# Allegro board mask_layout.brd (continued)
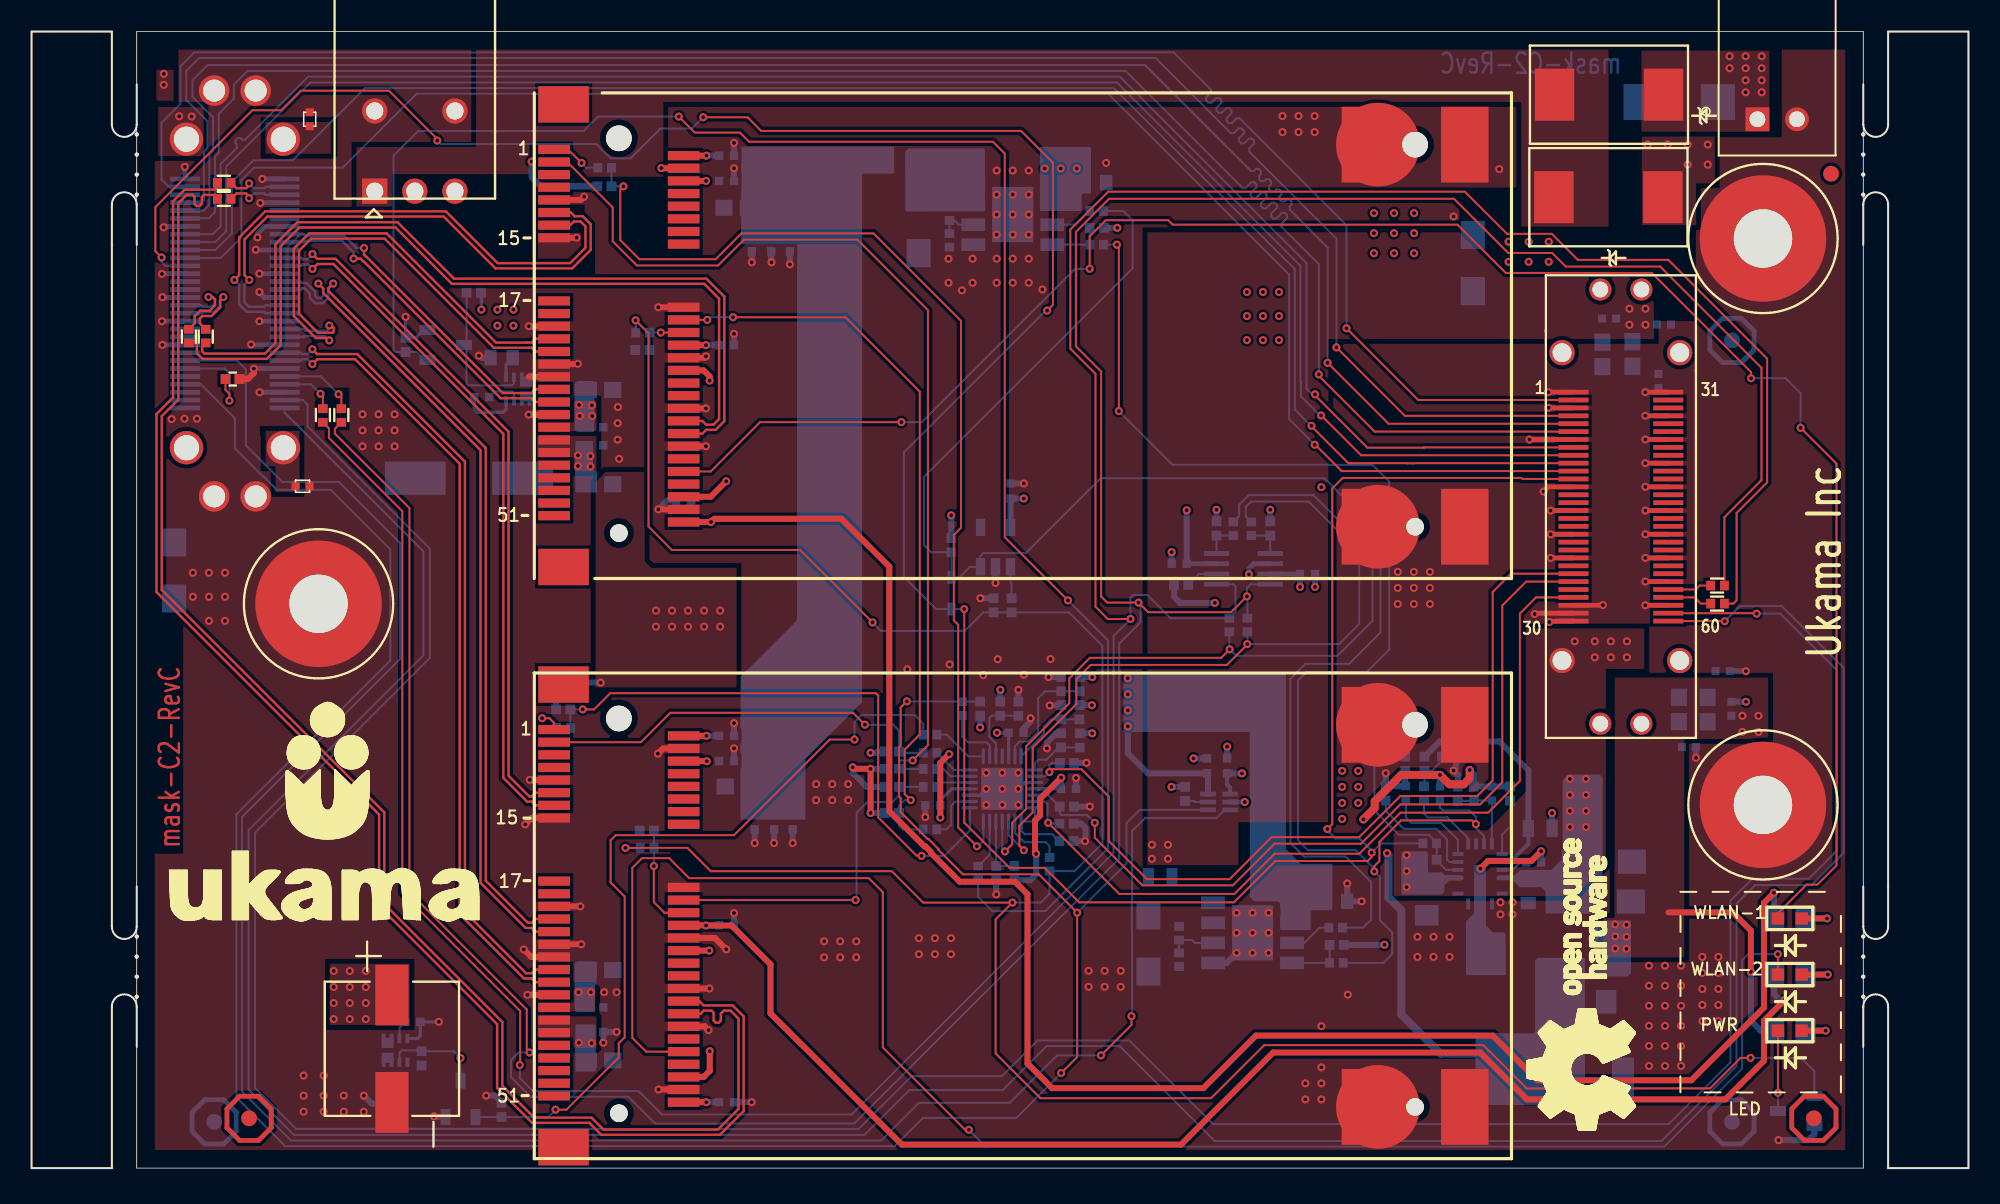
[diagram p0: board, top side]
## Nets
3V3_PG: R24.1 R61.2(B[0]) R85.1 U7.19(PG)
12V_VIN: C2B2.1(A[0]) C42.1(A[0]) C45.1(A[0]) C46.1(A[0]) C48.1(A[0]) J2.PC1 J2.PC2 R75.2(B[0]) SW1.2 U7.4(VIN1) U7.13(VIN2)
GND: C1.2 C2.2(B[0]) C2B1.2(B[0]) C2B2.2(B[0]) C3.2(B[0]) C6.2 C7.1 C8.2 C9.2 C10.1 C11.2 C12.2 C13.2 C14.2 C15.2 C16.2(B[0]) C17.2(B[0]) C18.2 C19.2(B[0]) C20.2 C21.2 C22.1 C23.2 C24.1 C25.2(B[0]) C26.2 C27.2 C28.2(B[0]) C29.2 C31.2(B[0]) C32.2 C33.2 C34.2 C35.1 C36.2 C38.2(B[0]) C39.2 C40.2 C41.2(B[0]) C42.2(B[0]) C44.2 C45.2(B[0]) C46.2(B[0]) C47.1 C48.2(B[0]) C49.2 C50.2 C51.2 C52.2(B[0]) C53.2(B[0]) C54.2 C55.2(B[0]) C56.1 C57.1 C58.1 D3.2 FB2.1 FB9.1 J1.4(GND_4) J1.9(GND_9) J1.15(GND_15) J1.18(GND_18) J1.21(GND_21) J1.26(GND_26) J1.27(GND_27) J1.29(GND_29) J1.34(GND_34) J1.35(GND_35) J1.40(GND_40) J1.50(GND_50) J1.53(MP1) J1.54(MP2) J1.55(GND_55) J1.56(GND_56) J1.57(GND_57) J1.58(GND_58) J2.1 J2.3 J2.7 J2.13 J2.16 J2.19 J2.22 J2.28 J2.29 J2.30 J2.31 J2.34 J2.37 J2.40 J2.43 J2.46 J2.49 J2.52 J2.55 J2.58 J2.G1 J2.G2 J2.G3 J2.G4 J3.4(GND_4) J3.9(GND_9) J3.15(GND_15) J3.18(GND_18) J3.21(GND_21) J3.26(GND_26) J3.27(GND_27) J3.29(GND_29) J3.34(GND_34) J3.35(GND_35) J3.40(GND_40) J3.50(GND_50) J3.53(MP1) J3.54(MP2) J3.55(GND_55) J3.56(GND_56) J3.57(GND_57) J3.58(GND_58) J4.1 J4.3 J4.7 J4.13 J4.16 J4.19 J4.22 J4.28 J4.29 J4.30 J4.31 J4.34 J4.37 J4.40 J4.43 J4.46 J4.49 J4.52 J4.55 J4.58 J4.G1 J4.G2 J4.G3 J4.G4 JTB1.2 MH1.1 MH2.1 MH3.1 Q1.2(S) Q2.2(S) Q3.2(S) R5.1 R21.2 R23.2 R34.2 R40.2 R43.2 R46.2 R49.2 R51.1(A[0]) R52.2(B[0]) R55.2 R60.2(B[0]) R63.2(B[0]) R66.2 R67.2 R69.2 R72.2 R77.2 R84.2 R88.2 SW1.SH1 SW1.SH2 U1.8(GND) U2.5(GND) U2.9(TP) U3.2(GND) U4.2(GND) U5.3(GND1) U5.17(GND2) U5.29(TP) U6.2(GND) U7.6(GND1) U7.7(GND2) U7.10(GND3) U7.11(GND4) U7.18(GND) U8.5(GND) U8.9(TP) U9.8(GND)
V1P8_S: C2.1(A[0]) C16.1(A[0]) C24.2 C35.2 FB4.1 J4.PC3 R32.2 U4.3(VCCA) U6.1(VCCA)
V3P3: C3.1(A[0]) C31.1(A[0]) FB6.1 J4.PC4
VDD_1V5: C12.1 C13.1 C14.1 C32.1 C33.1 C34.1 FB1.2 FB8.2 R18.2
VDD_1V5_PG: D1.A R19.1 R31.1 R81.1 U3.3(MRN)
VDD_1V8: C17.1(A[0]) FB3.1 R80.2
VDD_3V3: C7.2 C10.2 C22.2 C23.1 C28.1(A[0]) C29.1 C36.1 C39.1 C40.1 C47.2 C56.2 FB7.1 R12.1(A[0]) R15.1 R17.1 R22.1 R27.1 R28.1 R31.2 R37.1 R39.1 R41.1 R44.1 R45.1 R48.1 R53.1 R57.1 R65.1 R68.1 R79.1 R83.1 R86.2 R87.1 U1.1(VDD) U1.3(D1) U1.4(D2) U2.1(IN1) U2.2(IN2) U3.5(VCC) U4.7(VCCB) U5.4(VCC1) U5.12(VDDM) U5.18(VCC2) U6.6(VCCB) U8.1(IN1) U8.2(IN2) U9.1(VDD) U9.3(D1) U9.4(D2)
DC_12V_IN: D3.1 D4.1(ANODE) JTB1.1
I2C_ADD0: R77.1 R79.2 U5.26(ADDR0)
I2C_ADD1: R41.2 R43.1 U5.10(ADDR1)
IOE_I2C2_3V3_SCL: R30.2 R36.2 U5.25(SCL)
IOE_I2C2_3V3_SDA: R29.2 R35.2 U5.24(SDA)
IOE_INT_1V8: J4.24 U6.3(A)
IOE_INT_3V3: J4.27 R42.1 R44.2 U6.4(B)
LT8640_INT_VCC: C41.1(A[0]) R50.1(A[0]) U7.2(INTVCC)
MASK2_1V8: C19.1(A[0]) FB3.2 FB4.2 J2.PC3
MASK2_3V3: C25.1(A[0]) FB6.2 FB7.2 J2.PC4
MASK_12V_IN: C2B1.1(A[0]) D2.1(ANODE) J4.PC1 J4.PC2
MASK_IOE_GPIO_1: J2.24 R55.1 U5.16(I/O[11])
MASK_IOE_GPIO_2: J2.25 R67.1 U5.19(I/O[12])
MASK_IOE_GPIO_3: J2.27 R69.1 U5.20(I/O[13])
MPCIE1_PWR_DISABLE: Q2.1(G) R21.1 R78.2
MPCIE1_VDD_3V3: C1.1 C8.1 C15.1 C21.1 FB5.1 J1.2(3V3_2) J1.24(3V3_AUX) J1.52(3V3_52) R14.1(A[0]) R26.1 U1.5(S1) U1.6(S2)
MPCIE2_PWR_DISABLE: Q3.1(G) R47.2 R88.1
MPCIE2_VDD_3V3: C6.1 C26.1 C44.1 C54.1 FB10.1 J3.2(3V3_2) J3.24(3V3_AUX) J3.52(3V3_52) R13.1(A[0]) R71.1 U9.5(S1) U9.6(S2)
PCIE2_CLKN: J1.11(REFCLK_N) J4.47
PCIE2_CLKP: J1.13(REFCLK_P) J4.48
PCIE2_RXN: J1.23(PER_N0) J4.51
PCIE2_RXP: J1.25(PER_P0) J4.50
PCIE2_TXN: J1.31(PET_N0) J4.38
PCIE2_TXP: J1.33(PET_P0) J4.39
PCIE3_CLKN: J3.11(REFCLK_N) J4.41
PCIE3_CLKP: J3.13(REFCLK_P) J4.42
PCIE3_RXN: J3.23(PER_N0) J4.45
PCIE3_RXP: J3.25(PER_P0) J4.44
PCIE3_TXN: J3.31(PET_N0) J4.53
PCIE3_TXP: J3.33(PET_P0) J4.54
PCIE_WAKE1: R15.2 R16.1 U5.28(I/O[1])
PCIE_WAKE2: R37.2 R38.1 U5.1(I/O[2])
SDR_1P8_GPIO6: J4.25 R5.2
SDR_POWER_OK: D1.K J2.12 J4.12 R73.1
SIO_SPI_CLK: J2.2 J4.2
SIO_SPI_CS#: J2.4 J4.4
SIO_SPI_MISO: J2.5 J4.5
SIO_SPI_MOSI: J2.6 J4.6
SOC_I2C2_SCL_1P8: R6.1 R9.1 R36.1 U4.5(SCL_A)
SOC_I2C2_SDA_1P8: R7.1 R8.1 R35.1 U4.4(SDA_A)
SOC_I2C3_SCL_1P8: J2.60 J4.60
SOC_I2C3_SDA_1P8: J2.59 J4.59
SOC_UART1_CTS: J2.10 J4.10
SOC_UART1_RTS: J2.11 J4.11
SOC_UART1_RX: J2.9 J4.9
SOC_UART1_TX: J2.8 J4.8
STRAP_1: R39.2 R40.1 U5.13(I/O[8])
STRAP_2: R45.2 R46.1 U5.14(I/O[9])
STRAP_3: R48.2 R49.1 U5.15(I/O[10])
SYS_NRST: Q1.1(G) R25.2 R33.1 R34.1 R74.2 R76.1
USB3_RX0_N: J4.15
USB3_RX0_P: J4.14
USB3_TX0_N: J4.21
USB3_TX0_P: J4.20
USB_DN0: J1.36(USB_DN) R3.2
USB_DN1: J3.36(USB_DN) R1.2
USB_DN2_BRKOUT: J4.36
USB_DP0: J1.38(USB_DP) R4.2
USB_DP1: J3.38(USB_DP) R2.2
USB_DP2_BRKOUT: J4.35
WLAN1_CHIP_PWD_L: J1.3(RSVD_3) R56.2 R57.2
WLAN1_DISABLE: J1.20(W_DISABLE#) R68.2 R70.2
WLAN1_LED: J1.44(L\E\D\_\W\L\A\N\) LED1.K
WLAN2_CHIP_PWD_L: J3.3(RSVD_3) R53.2 R54.2
WLAN2_DISABLE: J3.20(W_DISABLE#) R64.2 R65.2
WLAN2_LED: J3.44(L\E\D\_\W\L\A\N\) LED2.K
N04873: J4.17 R3.1
N04915: J4.18 R4.1
N05031: J4.32 R1.1
N05071: J4.33 R2.1
N294974: C43.1(A[0]) U7.3(BST)
N294998: R51.2(B[0]) R73.2 R75.1(A[0]) U7.14(EN/UV)
N295128: C43.2(B[0]) L1.1(INA) U7.8(SW) U7.9(SW1) U7.21(SW2) U7.22(SW3)
N295192: C37.2(B[0]) C52.1(A[0]) C53.1(A[0]) C55.1(A[0]) L1.2(INB) R58.2(B[0]) R59.2(B[0]) R61.1(A[0]) R86.1
N295424: R50.2(B[0]) R52.1(A[0]) R62.1(A[0])
N295478: R62.2(B[0]) U7.17(SYNC)
N295500: R58.1(A[0]) U7.1(BIAS)
N295572: C38.1(A[0]) U7.16(TR/SS)
N295666: R63.1(A[0]) U7.15(RT)
N295674: C37.1(A[0]) R59.1(A[0]) R60.1(A[0]) U7.20(FB)
N298230: C49.1 R80.1 R82.1 U8.7(OUT2) U8.8(OUT1)
N303197: C9.1 FB1.1 J1.6(1V5_6) J1.28(1V5_28) J1.48(1V5_48)
N16279066: C27.1 FB8.1 J3.6(1V5_6) J3.28(1V5_28) J3.48(1V5_48)
N16291792: R78.1 U5.27(I/O[0])
N16293975: R82.2 R84.1 U8.6(FB)
N16295073: R81.2 U8.3(POK)
N16295982: C11.1 R18.1 R20.2 U2.7(OUT2) U2.8(OUT1)
N16296066: R19.2 U2.3(POK)
N16296070: R20.1 R23.1 U2.6(FB)
N16296132: R22.2 R24.2 U2.4(EN)
N16297469: R32.1 U4.6(OE)
N16297659: J4.57 R6.2
N16297665: J4.56 R7.2
N16297759: R28.2 R30.1 U4.8(SCL_B)
N16297763: R27.2 R29.1 U4.1(SDA_B)
N16298199: J1.1(W\A\K\E\) R16.2
N16298243: J3.1(W\A\K\E\) R38.2
N16299411: R64.1 U5.5(I/O[4])
N16299415: R70.1 U5.2(I/O[3])
N16300335: R56.1 U5.6(I/O[5])
N16300339: R54.1 U5.7(I/O[6])
N16300917: LED1.A R14.2(B[0])
N16301810: LED2.A R13.2(B[0])
N16302673: R42.2 U5.9(#INT)
N16304665: R66.1 U6.5(DIR)
N16306652: R33.2 U3.1(RESETN)
N16307501: R83.2 R85.2 U8.4(EN)
N16308713: R76.2 U5.23(NRESET)
N16308727: J1.22(P\E\R\S\T\) R25.1 R26.2
N16309214: J3.22(P\E\R\S\T\) R71.2 R74.1
N16312036: LED3.K Q1.3(D)
N16312435: LED3.A R12.2(B[0])
N16316897: Q2.3(D) R17.2 U1.2(ON)
N16318631: Q3.3(D) R87.2 U9.2(ON)
N16319040: R47.1 U5.8(I/O[7])
N16349541: C20.1 FB5.2 J1.39(RSVD_39) J1.41(RSVD_41)
N16350089: C51.1 FB10.2 J3.39(RSVD_39) J3.41(RSVD_41)
N16350125: C50.1 FB9.2 J3.37(RSVD_37)
N16738755: C18.1 FB2.2 J1.37(RSVD_37)
N16775947: J2.57 R9.2
N16775967: J2.56 R8.2
N16808675: R72.1 U5.21(I/O[14]) U5.22(I/O[15])
N16836767: J2.23
N16873798: D2.2(CATHODE) D4.2(CATHODE) SW1.1
N16906763: C57.2 U1.7(CAP)
N16909186: C58.2 U9.7(CAP)

Pads without a net: J1 5 7 8 10 12 14 16 17 19 30 32 42 43 45 46 47 49 51; J2 14 15 17 18 20 21 26 32 33 35 36 38 39 41 42 44 45 47 48 50 51 53 54; J3 5 7 8 10 12 14 16 17 19 30 32 42 43 45 46 47 49 51; J4 23 26; NOREF 1; NOREF#2 1; NOREF#6 1; NOREF#10 1; NOREF#11 1; NOREF#12 1; SW1 3; U3 4; U5 11

## Via types
v1: diameter 0.508, hole 0.254, TOP to BOTTOM, 551 vias

## Routing (per net, layer and track width the routed paths; a pad name or vN(x,y) marks a point on that pad's centre or on a via; arc(x,y) is an arc through that point)
3V3_PG: length 86.2
  TOP w0.127: v1(68.83,47.95) 68.83,58.37 v1(68.71,58.49) ; v1(85,18.79) 85,19.13 85.32,19.46 85.32,20.66 86.69,22.02 91.2,22.02 v1(91.43,21.79)
  BOTTOM w0.127: v1(68.83,47.95) 72.23,44.55 84.88,44.55 85.95,43.48 85.95,32.85 84.52,31.42 80.71,31.42 80.17,30.88 80.17,20.77 80.8,20.14 83.82,20.14 85,18.96 v1(85,18.79) 85.35,18.44 85.35,15.71 86.14,14.93 86.14,13.56 85.58,13 R85.1 ; R24.1 v1(68.71,58.49) ; R61.2 89.14,22.85 89.33,22.66 91.02,22.66 91.43,22.25 v1(91.43,21.79) 91.43,21.54 91.94,21.03 U7.19
12V_VIN:
  vias: v1(84.98,60.49) v1(84.98,59.22) v1(84.98,57.95) v1(86.25,60.49) v1(86.25,59.22) v1(86.25,57.95) v1(87.05,19.83) v1(87.05,18.82) v1(87.05,17.8) v1(87.52,60.49) v1(87.52,59.22) v1(87.52,57.95) v1(97.38,24.66) v1(97.38,23.64) v1(97.38,22.63) v1(97.38,21.61) v1(97.69,33.37) v1(98.4,24.66) v1(98.4,23.64) v1(98.4,22.63) v1(98.4,21.61) v1(98.96,33.37) v1(98.96,32.35) v1(99.97,33.37) v1(99.97,32.35) v1(100.99,33.37) v1(100.99,32.35)
GND: length 164.9
  TOP w0.305: v1(102.16,46.15) J2.37 ; v1(102.16,44.65) J2.40 ; v1(102.16,41.65) J2.46 ; J2.30 96.53,34.65 96.52,34.63 96.09,34.63 v1(96.09,34.59) ; J2.13 96.02,43.15 v1(95.72,42.85) ; J2.19 96.17,40.15 v1(96.17,40.15) ; v1(96.17,38.65) 96.17,38.65 J2.22 ; v1(99.47,35.66) 99.46,35.65 J2.28 ; J2.3 96.04,48.15 v1(96.04,48.15) ; J2.1 96.02,49.15 v1(96.02,49.14) ; v1(94.83,46.15) J2.7 ; v1(102.16,35.65) J2.58 ; v1(102.16,37.15) J2.55 ; v1(102.16,47.65) J2.34 ; v1(102.16,40.15) J2.49 ; J2.29 95.2,35.15 v1(95.15,35.1) ; v1(102.16,49.15) J2.31 ; J2.16 96.17,41.65 v1(96.17,41.65) ; v1(102.16,38.65) J2.52 ; v1(102.16,43.15) J2.43
  TOP w0.381: J3.21 v1(34.73,16.58) ; J1.26 42.6,51.33 v1(42.69,51.42) ; J3.27 v1(34.8,14.18) ; J1.50 39.68,41.72 v1(39.67,41.73) ; J3.9 31.55,24.58 v1(31.53,24.59) ; v1(14.07,50.64) 14.07,50.36 13.69,49.98 R5.1 ; v1(39.65,26.25) 39.98,26.58 J3.4 ; J1.21 v1(31.47,53.33) ; J1.35 v1(31.47,47.72) ; v1(34.58,50.95) 34.56,50.93 J1.27 ; v1(31.25,21.77) 31.66,22.18 J3.15 ; J3.50 v1(39.69,4.98) ; J1.4 39.94,63.33 39.93,63.34 v1(39.87,63.34) ; v1(43.98,13.86) 43.25,14.58 J3.26 ; v1(34.98,61.53) 34.77,61.33 J1.9 ; v1(31.16,13.85) 31.63,13.38 J3.29 ; J3.35 v1(31.39,10.98) ; J3.40 42.62,8.98 v1(42.85,8.75) ; J3.34 v1(42.91,11.38) ; J1.18 v1(39.67,54.53) ; J1.15 34.5,58.92 v1(34.5,58.93) ; J1.34 v1(42.69,48.12) ; J1.40 v1(42.69,45.72) ; J1.29 31.47,50.13
  BOTTOM w0.203: C57.1 28.02,48.07 28.22,47.87 29.84,47.87 30.03,48.06 U1.8 ; U5.3 60.03,23.62 v1(60.43,24.02) ; Q2.2 24.83,53.09 24.33,52.59 R21.2 v1(23.67,53.92) ; U5.17 62.87,24.42 v1(62.46,24.02) ; U9.8 24.43,8.21 24.6,8.38 C58.1 v1(25.78,9.26)
  BOTTOM w0.305: J4.31 14.61,62.65 v1(14.61,62.66) ; U4.2 77.37,38.28 77.06,37.98 v1(77.06,37.61) ; v1(8.25,56.64) 8.27,56.65 J4.13 ; U6.2 v1(76.8,23.19) ; J4.19 8.26,53.65 v1(8.25,53.64) ; v1(13.89,52.17) 13.91,52.15 J4.52 ; v1(14.42,53.64) 14.5,53.64 14.51,53.65 J4.49 ; v1(14.42,55.49) 14.43,55.49 14.43,55.45 14.73,55.15 J4.46 ; J4.58 v1(14.43,49.14) ; J4.22 8.29,52.15 v1(8.28,52.14) ; v1(8.28,55.16) 8.29,55.15 J4.16 ; J4.40 14.21,58.15 v1(14.19,58.17) ; J4.37 14.75,59.65 14.3,59.2 v1(14.3,58.95) ; J4.7 8.45,59.65 8.39,59.59 v1(8.36,59.59) ; v1(14.07,50.64) 14.08,50.65 J4.55 ; v1(9.7,63.42) 9.72,63.4 J4.1 ; J4.43 v1(14.42,56.65) ; J4.34 14.5,61.15 v1(14.48,61.13)
  BOTTOM w0.381: v1(85.72,25.02) R63.2 85.76,24.2 C38.2 86.95,24.25 R51.1 ; v1(28.32,51.45) 28.37,51.45 28.5,51.32 C7.1 ; R69.2 66.45,21.82 66.72,21.55 66.72,20.74 v1(66.69,20.71) R72.2 ; C24.1 v1(81.25,36.81) ; C15.2 v1(44.47,52.84) ; R77.2 v1(61.07,17.34) ; C54.2 45.58,4.18 v1(45.59,4.18) ; C26.2 v1(44.47,28.19) ; R66.2 72.16,24.15 v1(72.16,24.15) ; v1(73.56,25.95) 73.56,25.95 C36.2 ; v1(36.19,7.94) C51.2 v1(37.03,8.63) ; C41.2 v1(96.25,22.49) ; C23.2 v1(72.17,39.01) ; C44.2 v1(44.47,16.16) ; U8.5 75.64,13 v1(76.28,13.63) ; v1(110.59,1.78) 112.48,1.78 112.86,2.16 Q1.2 ; R49.2 64.84,27.54 64.27,26.97 v1(64.27,26.59) ; C29.2 62.8,27.84 63.24,28.29 v1(63.24,28.5) ; C22.1 v1(62.82,43.36) ; R60.2 90.29,24.92 v1(90.02,25.18) 90.18,25.34 R52.2 ; v1(25.47,3.29) 25.52,3.24 Q3.2 ; v1(75.69,26.7) 75.68,26.69 C35.1 ; R46.2 64.47,29.33 v1(64.45,29.31) ; C12.2 v1(48.01,57.25) ; C14.2 v1(45.59,57.37) ; C8.2 v1(44.47,64.93) ; C40.2 v1(56.57,22.24) ; R34.2 v1(60.06,36.1) ; v1(46.84,57.37) 46.82,57.39 C13.2 ; C56.1 21.53,4.09 v1(21.03,4.59) ; R40.2 v1(64.38,31.1) ; C31.2 105.36,26 v1(105.37,25.99) ; U3.2 v1(61.02,37.06) ; C25.2 v1(108.52,31.48) ; R55.2 v1(66.78,25.67) ; C28.2 v1(108.53,29.54) ; v1(39.67,41.73) 40.24,42.29 C21.2 ; v1(84.2,16.9) C47.1 v1(83.29,18.03) ; v1(28.78,4.59) 29.36,4.59 29.74,4.21 R88.2 ; R43.2 62.46,30.29 v1(62.47,30.3) ; C32.2 v1(48.18,20.59) ; C34.2 v1(45.77,20.59) ; C27.2 v1(44.47,26.59) ; v1(66.12,24.71) 66.11,24.71 C39.2 ; R67.2 v1(66.99,22.9) ; C9.2 v1(44.47,63.33) ; C33.2 v1(47,20.59)
  vias: v1(8.86,47.44) v1(9.68,47.47) v1(10.21,37.71) v1(10.21,36.19) v1(10.46,47.47) v1(11.23,37.71) v1(11.23,36.19) v1(11.23,34.66) v1(12.24,37.71) v1(12.24,36.19) v1(12.24,34.66) v1(17.22,5.86) v1(17.22,4.59) v1(17.22,3.58) v1(18.49,5.86) v1(18.49,4.59) v1(18.49,3.58) v1(19.76,4.59) v1(19.76,3.58) v1(20.95,47.75) v1(20.95,46.73) v1(20.95,45.72) v1(21.03,3.58) v1(21.96,47.75) v1(21.96,46.73) v1(21.96,45.72) v1(22.98,47.75) v1(22.98,46.73) v1(22.98,45.72) v1(36.25,11.14) v1(37.1,47.19) v1(37.1,46.14) v1(37.03,11.14) v1(37.12,48.2) v1(37.19,44.93) v1(49.66,24.33) v1(49.66,23.31) v1(50.17,14.36) v1(50.17,13.35) v1(50.68,24.33) v1(50.68,23.31) v1(51.19,14.36) v1(51.19,13.35) v1(51.7,24.33) v1(51.7,23.31) v1(52.2,14.36) v1(52.2,13.35) v1(55.44,31.6) v1(56.17,14.57) v1(56.17,13.55) v1(57.19,14.57) v1(57.19,13.55) v1(58.05,57.6) v1(58.05,56.08) v1(58.12,31.9) v1(58.2,14.57) v1(58.2,13.55) v1(58.89,55.59) v1(59.57,57.6) v1(59.57,56.08) v1(60.24,31.22) v1(60.43,25.04) v1(60.43,23.01) v1(61.1,63.19) v1(61.1,61.66) v1(61.1,60.39) v1(61.1,59.12) v1(61.1,57.6) v1(61.1,56.08) v1(61.16,32.23) v1(61.45,25.04) v1(61.45,24.02) v1(61.45,23.01) v1(62.11,63.19) v1(62.11,61.66) v1(62.11,60.39) v1(62.11,59.12) v1(62.11,57.6) v1(62.11,56.08) v1(62.46,25.04) v1(62.46,23.01) v1(62.82,31.26) v1(63.13,63.19) v1(63.13,61.66) v1(63.13,60.39) v1(63.13,59.12) v1(63.13,57.6) v1(63.13,56.08) v1(63.99,55.65) v1(64.51,32.25) v1(66.92,12.5) v1(66.92,11.48) v1(67.93,12.5) v1(67.93,11.48) v1(68.02,63.67) v1(68.95,12.5) v1(68.95,11.48) v1(76.28,16.17) v1(76.28,14.9) v1(76.94,55.49) v1(76.94,53.97) v1(76.94,52.44) v1(77.29,16.17) v1(77.29,14.9) v1(77.29,13.63) v1(77.95,55.49) v1(77.95,53.97) v1(77.95,52.44) v1(78.31,16.17) v1(78.31,14.9) v1(78.31,13.63) v1(78.97,55.49) v1(78.97,53.97) v1(78.97,52.44) v1(79.19,66.64) v1(79.19,65.62) v1(80.21,66.64) v1(80.21,65.62) v1(80.63,5.37) v1(80.63,4.35) v1(81.22,66.64) v1(81.22,65.62) v1(81.65,43.13) v1(81.65,8.99) v1(81.65,6.39) v1(81.65,5.37) v1(81.65,4.35) v1(83.32,10.99) v1(86.49,37.76) v1(86.49,36.75) v1(86.49,35.73) v1(87.5,37.76) v1(87.5,36.75) v1(87.5,35.73) v1(87.73,14.65) v1(87.73,13.38) v1(88.52,37.76) v1(88.52,36.75) v1(88.52,35.73) v1(88.75,14.65) v1(88.75,13.38) v1(89.76,14.65) v1(89.76,13.38) v1(90.02,60.28) v1(92.91,63.28) v1(92.99,16.84) v1(92.99,16.07) v1(93.75,16.84) v1(93.75,16.07) v1(102.39,12.82) v1(102.39,11.55) v1(102.39,10.28) v1(102.39,9.01) v1(102.39,7.74) v1(102.39,6.47) v1(103.4,12.82) v1(103.4,11.55) v1(103.4,10.28) v1(103.4,9.01) v1(103.4,7.74) v1(103.4,6.47) v1(104.42,12.82) v1(104.42,11.55) v1(104.42,10.28) v1(104.42,9.01) v1(104.42,7.74) v1(104.42,6.47) v1(105.77,13.38) v1(105.77,12.36) v1(105.77,11.35) v1(105.77,10.33) v1(105.77,9.32) v1(106.78,13.38) v1(106.78,12.36) v1(106.78,11.35) v1(106.78,10.33) v1(106.78,9.32)
V1P8_S: length 8.5
  BOTTOM w0.254: U6.1 75.87,24.1 75.68,24.29 C35.2
  BOTTOM w0.305: U4.3 C24.2
  BOTTOM w0.381: R32.2 72.32,36.18 72.7,35.8 v1(74.91,35.8) ; C35.2 v1(76.62,25) ; C24.2 v1(80.3,36.81)
  vias: v1(93.5,58.67) v1(93.5,57.4) v1(94.77,58.67) v1(94.77,57.4) v1(96.04,58.67) v1(96.04,57.4)
V3P3:
  vias: v1(82.96,25.16) v1(82.96,24.15) v1(82.96,23.13) v1(82.96,22.12) v1(83.98,25.16) v1(83.98,24.15) v1(83.98,23.13)
VDD_1V5_PG: length 97.4
  BOTTOM w0.127: R19.1 69.1,60.62 69.7,60.03 69.7,56.99 56.49,43.78 56.49,39.47 56.94,39.01 R31.1 D1.A 58.73,37.41 59.4,38.08 U3.3 60.07,38.78 60.25,38.96 62.94,38.96 67.68,43.69 81.84,43.69 85.39,40.14 85.39,33.93 83.41,31.94 80.64,31.94 79.69,30.99 79.69,20.6 80.55,19.73 83.19,19.73 84.8,18.12 84.8,15.74 84.29,15.23 R81.1
VDD_1V8:
  vias: v1(70.92,20.48) v1(70.92,19.59) v1(71.94,20.48) v1(71.94,19.59) v1(101.15,54.43) v1(101.15,53.42) v1(102.17,54.43) v1(102.17,53.42)
VDD_3V3: length 82
  TOP w0.381: v1(63.59,19.9) 63.52,19.97 63.52,22.02 63.84,22.34 63.84,23.4 v1(65.18,24.73) ; v1(58.08,26.22) 57.52,25.66 v1(57.52,22.21) ; 103.63,16.2 107.69,16.2 108.84,15.05 v1(108.84,12.43) ; v1(53.11,22.5) v1(53.11,25.29) 52.08,25.29 v1(51.98,25.39)
  BOTTOM w0.203: U5.12 C29.1 ; U1.1 30.03,50.9 C7.2 ; C40.1 57.52,23.3 57.99,23.77 58,23.77 58.26,24.02 U5.4 ; U5.18 C39.1 ; v1(28.47,54.38) 28.47,55.41 R17.1
  BOTTOM w0.254: C29.1 v1(61.11,27.58) ; C40.1 v1(57.52,22.21)
  BOTTOM w0.305: U4.7 C23.1
  BOTTOM w0.381: v1(69.4,27.98) 69.4,26.28 70.67,25 C36.1 74.47,24.94 U6.6 ; R37.1 33.21,30.37 33.59,30.75 v1(36.03,30.75) ; v1(51.98,25.39) 51.98,25.04 52.87,24.15 R65.1 ; v1(67.12,29.32) 67.12,29.33 R45.1 ; v1(67.14,31.1) 67.14,31.1 R39.1 ; v1(85.65,14.15) 85.64,14.14 R83.1 ; 61.97,40.58 C22.2 v1(62.82,42.41) ; v1(31.66,63.75) 31.66,62.76 32.23,62.19 R15.1 ; R57.1 v1(53.11,25.29) ; C39.1 65.16,24.72 v1(65.18,24.73) ; v1(58.22,41.34) 58.23,41.33 R31.2 ; R44.1 60.05,27.91 v1(60.05,27.91) ; R79.1 63.21,18.24 63.59,18.62 v1(63.59,19.9) ; R41.1 61.32,30.29 v1(61.33,30.3) ; v1(108.84,12.43) 108.84,9.33 109.46,8.71 R12.1 ; v1(73.12,41.67) 73.12,41.66 C23.1 ; v1(53.11,26.31) 53.52,26.31 53.59,26.38 R53.1 ; v1(67.14,27.54) 67.14,27.54 R48.1 ; R28.1 v1(75.01,41.7) ; R27.1 v1(78.41,41.7) ; R68.1 v1(53.11,22.5) ; R22.1 v1(68.73,59.56)
  vias: v1(8.37,69.31) v1(8.36,68.61) v1(29.49,54.38) v1(29.49,53.36) v1(30.5,54.38) v1(30.5,53.36) v1(39.52,35.31) v1(39.52,34.3) v1(40.54,35.31) v1(40.54,34.3) v1(41.56,35.31) v1(41.56,34.3) v1(42.57,35.31) v1(42.57,34.3) v1(43.59,35.31) v1(43.59,34.3) v1(64.14,63.32) v1(65.15,63.32) v1(66.17,63.32) v1(69.4,31.03) v1(69.4,30.01) v1(69.4,29) v1(100.25,15.44) v1(100.25,14.68) v1(100.25,13.92) v1(100.96,15.41) v1(100.96,14.65) v1(100.96,13.89) v1(108.31,28.65) v1(108.31,27.63) v1(109.32,28.65) v1(109.32,27.63)
DC_12V_IN:
  vias: v1(107.49,70.43) v1(107.49,69.67) v1(108.51,70.43) v1(108.51,69.67) v1(108.51,68.9) v1(108.51,68.14) v1(109.52,70.43) v1(109.52,69.67) v1(109.52,68.9) v1(109.52,68.14)
I2C_ADD0: length 4
  BOTTOM w0.127: U5.26 61.05,19.16 R77.1 R79.2
I2C_ADD1: length 4.5
  BOTTOM w0.127: R43.1 R41.2 60.77,28.65 60.63,28.51 60.63,27.32 61.05,26.9 U5.10
IOE_I2C2_3V3_SCL: length 52.5
  TOP w0.127: v1(61.62,20.06) 62.08,20.52 62.08,21.87 62.96,22.75 62.96,26.72 65.69,29.45 65.69,31.02 66.99,32.32 75.3,32.32 v1(75.84,32.86)
  BOTTOM w0.127: R36.2 75.82,32.88 v1(75.84,32.86) 76.25,32.45 82.68,32.45 84.89,34.67 84.89,38.88 81.14,42.63 77.05,42.63 76.44,42.02 76.44,41.3 R30.2 ; U5.25 61.45,20.23 v1(61.62,20.06)
IOE_I2C2_3V3_SDA: length 49.1
  TOP w0.127: v1(62.81,20.14) 62.53,20.42 62.53,21.7 63.37,22.53 63.37,26.63 66.14,29.39 66.14,30.97 67.04,31.87 75.67,31.87 76.96,33.17 v1(76.96,33.19)
  BOTTOM w0.127: U5.24 61.85,21.1 v1(62.81,20.14) ; R35.2 v1(76.96,33.19) 82.78,33.19 84.05,34.46 84.05,39.01 80.84,42.22 77.2,42.22 76.86,41.88 76.86,41.29 R29.2
IOE_INT_1V8: length 139.8
  TOP w0.127: v1(69.63,9.63) 69.63,9.07 v1(67.7,7.14)
  BOTTOM w0.127: v1(67.7,7.14) 64.91,7.14 61.91,4.14 56.17,4.14 53.78,1.75 16.42,1.75 13.32,4.84 13.32,22.25 23.32,32.25 23.32,39.6 19.46,43.46 15.88,43.46 13.56,45.77 13.56,50.6 13.02,51.15 J4.24 ; v1(69.63,9.63) 69.67,9.67 69.67,15.01 69.66,15.02 69.65,15.08 69.65,16.9 69.66,16.96 69.67,16.97 69.67,21.35 70.48,22.17 74.99,22.17 75.51,22.69 U6.3
IOE_INT_3V3: length 161.4
  TOP w0.127: v1(65.18,6.03) 66.19,7.04 v1(66.19,16.18) 63.76,18.61 58.95,18.61 57.4,20.16 57.4,20.22 56.78,20.85 56.72,20.85 55.02,22.55 55.02,23.44 54.91,23.54 54.91,26.66 55.02,26.76 55.02,29.17 v1(55.41,29.56)
  BOTTOM w0.127: U6.4 70.15,22.69 69.31,21.85 69.31,19.3 v1(66.19,16.18) ; J4.27 10.71,49.65 12.87,47.49 12.87,45.59 14.67,43.79 14.7,43.79 15.43,43.06 15.43,43.03 15.5,42.96 18.94,42.96 22.71,39.19 22.71,32.15 12.97,22.41 12.97,22.4 12.97,22.4 12.97,4.48 16.05,1.4 54.64,1.4 56.43,3.19 62.34,3.19 v1(65.18,6.03) ; v1(55.41,29.56) 55.41,29.56 58.88,29.56 R42.1 58.93,29.55 R44.2
LT8640_INT_VCC: length 14.5
  BOTTOM w0.254: U7.2 93.6,19.39 94.75,20.55 C41.1
  BOTTOM w0.381: C41.1 94.75,25.19 92.91,27.03 89.15,27.03 R50.1
MASK_12V_IN:
  vias: v1(9.34,66.62) v1(10.13,66.61) v1(102.3,64.83) v1(103.57,64.83) v1(104.84,64.83) v1(104.84,63.56) v1(106.11,64.83) v1(106.11,63.56)
MASK_IOE_GPIO_1: length 55
  TOP w0.127: v1(64.43,25.09) 64.61,25.27 66.46,25.27 68.19,23.54 68.19,20.72 70.6,18.31 75.85,18.31 78.51,20.97 84.05,20.97 86.65,23.57 91.51,23.57 92.49,24.55 92.49,36.5 93.65,37.65 J2.24
  BOTTOM w0.127: R55.1 64.57,25.67 64.43,25.53 v1(64.43,25.09) 64.17,24.82 U5.16
MASK_IOE_GPIO_2: length 51.8
  TOP w0.127: v1(67.31,21.87) 67.31,20.93 70.32,17.91 76.05,17.91 78.68,20.55 84.16,20.55 86.64,23.04 91.7,23.04 93.1,24.44 93.1,35.63 94.62,37.15 J2.25
  BOTTOM w0.127: U5.19 64.36,23.62 R67.1 65.08,22.49 65.21,22.36 66.82,22.36 v1(67.31,21.87)
MASK_IOE_GPIO_3: length 51.9
  TOP w0.127: J2.27 95.24,36.15 94.22,35.13 94.22,24.53 92.2,22.51 86.65,22.51 84.05,19.91 78.69,19.91 76.15,17.37 68.86,17.37 v1(64.36,21.87)
  BOTTOM w0.127: U5.20 64.16,23.22 64.32,23.07 64.32,21.92 64.36,21.87 64.62,21.87 64.68,21.82 R69.1
  BOTTOM w0.152: 64.36,21.87 v1(64.36,21.87)
MPCIE1_PWR_DISABLE: length 113.4
  TOP w0.127: v1(40.97,66.6) 41.99,65.59 44.84,65.59 45.42,65.01 60.86,65.01 61.61,64.26 61.61,39.96 v1(65.61,35.96)
  BOTTOM w0.127: R78.2 59.92,17.18 60.83,16.28 64.18,16.28 68.14,20.25 68.14,33.42 v1(65.61,35.96) ; Q2.1 24.88,51.19 24.38,51.69 R21.1 23.04,51.69 22.91,51.82 22.91,64.13 24.47,65.69 34.94,65.69 35.86,66.6 v1(40.97,66.6)
MPCIE1_VDD_3V3: length 116.9
  TOP w0.381: J1.52 43.01,40.92 v1(43.01,40.92) 43.22,41.13 51.27,41.13 54.3,38.1 54.3,22.6 56.52,20.38 56.58,20.38 56.93,20.03 56.93,19.97 58.76,18.14 59.15,18.14 62.26,18.14 63.05,17.35 63.05,6.63 64.6,5.07 74.18,5.07 77.51,8.4 92.5,8.4 95.33,5.57 105.07,5.57 109.67,10.17 109.67,16.81 v1(110.3,17.44) ; J1.2 v1(42.72,64.13) ; J1.24 v1(42.69,52.13)
  BOTTOM w0.381: v1(42.72,64.13) C8.1 ; R14.1 v1(110.3,17.44) ; v1(42.69,52.13) C15.1
MPCIE2_PWR_DISABLE: length 49.6
  TOP w0.127: v1(33.17,3.7) 33.86,3.7 37.17,7.01 37.17,7.91 37.55,8.28 37.55,17.2 36.65,18.1 36.65,20.76 36.98,21.09 44.47,21.09 50.53,27.15 v1(52.1,27.15)
  BOTTOM w0.127: v1(52.1,27.15) 52.1,28.26 52.53,28.7 55.91,28.7 56.45,28.16 R47.2 ; v1(33.17,3.7) 32.7,3.24 R88.1 Q3.1
MPCIE2_VDD_3V3: length 92.4
  TOP w0.381: v1(110.98,10.65) 109.67,9.34 109.67,6.8 107.22,4.35 94.67,4.35 91.7,7.32 78.6,7.32 72.77,1.49 55.09,1.49 46.78,9.81 46.78,12.91 44.32,15.37 v1(42.7,15.37) 42.69,15.38 J3.24 ; J3.2 v1(42.72,27.38) ; J3.52 v1(42.72,4.18)
  BOTTOM w0.381: v1(42.7,15.37) 42.71,15.38 C44.1 ; v1(110.98,10.65) 110.68,10.65 110.3,11.04 R13.1 ; v1(42.72,27.38) C26.1 ; v1(42.72,4.18) C54.1
  vias: v1(19.13,12.49) v1(19.13,11.47) v1(19.13,10.46) v1(19.13,9.44) v1(20.14,12.49) v1(20.14,11.47) v1(20.14,10.46) v1(20.14,9.44) v1(21.16,12.49) v1(21.16,11.47) v1(21.16,10.46) v1(21.16,9.44)
PCIE2_CLKN: length 35.5
  TOP w0.152: J1.11 34.15,60.53 34.38,60.29 34.89,60.29 35.39,59.78 35.39,58.16 34.23,56.99 29.36,56.99 26.08,60.27 14.93,60.27 13.47,58.82 13.47,56.56 v1(13.78,56.25)
  BOTTOM w0.152: v1(13.78,56.25) 13.47,55.95 13.47,54.83 13.75,54.56 14.73,54.56 14.82,54.65 J4.47
PCIE2_CLKP: length 35.5
  TOP w0.152: J1.13 34.09,59.73 34.33,59.96 34.75,59.96 35.06,59.65 35.06,58.29 34.09,57.32 29.5,57.32 26.22,60.6 14.79,60.6 13.14,58.95 13.14,56.56 v1(12.84,56.25)
  BOTTOM w0.152: J4.48 14.82,54.15 14.73,54.23 13.61,54.23 13.14,54.7 13.14,55.95 v1(12.84,56.25)
PCIE2_RXN: length 30
  TOP w0.152: J1.23 31.89,52.53 31.66,52.29 31.37,52.29 31.36,52.29 29.4,52.29 22.48,59.2 17.56,59.2 16.6,58.24 16.6,53.97 17.99,52.58 18.64,52.58 18.67,52.56 18.71,52.56 v1(18.84,52.43)
  BOTTOM w0.152: J4.51 17.22,52.65 17.28,52.7 18.57,52.7 v1(18.84,52.43)
PCIE2_RXP: length 29.8
  TOP w0.152: J1.25 31.89,51.73 31.66,51.96 31.5,51.96 31.5,51.96 29.26,51.96 22.35,58.87 17.7,58.87 16.93,58.1 16.93,54.11 18.13,52.91 19.04,52.91 19.13,53 19.13,53.22 18.98,53.37 v1(18.84,53.37)
  BOTTOM w0.152: v1(18.84,53.37) 18.84,53.19 18.69,53.03 17.33,53.03 17.22,53.15 J4.50
PCIE2_TXN: length 21.6
  TOP w0.152: J1.31 31.89,49.33 31.66,49.09 29.83,49.09 21.18,57.74 21.15,57.74 21.05,57.85 v1(21.05,58.28)
  BOTTOM w0.152: J4.38 17.22,59.15 17.31,59.07 19.78,59.07 20.57,58.28 v1(21.05,58.28)
PCIE2_TXP: length 21.6
  TOP w0.152: v1(20.38,57.61) 20.81,57.61 21.02,57.41 21.04,57.41 29.69,48.76 31.66,48.76 31.89,48.52 J1.33
  BOTTOM w0.152: v1(20.38,57.61) 20.38,58 19.65,58.74 17.31,58.74 17.22,58.65 J4.39
PCIE3_CLKN: length 44.3
  TOP w0.152: v1(17.78,57.9) 18.08,57.59 19.24,57.59 30.19,46.64 30.19,24.86 31.5,23.54 31.66,23.54 31.89,23.78 J3.11
  BOTTOM w0.152: v1(17.78,57.9) 17.78,57.89 17.46,57.57 17.16,57.57 17.07,57.65 J4.41
PCIE3_CLKP: length 44.3
  TOP w0.152: v1(17.78,56.96) 18.09,57.26 19.11,57.26 29.86,46.51 29.86,24.72 31.37,23.21 31.66,23.21 31.89,22.98 J3.13
  BOTTOM w0.152: J4.42 17.06,57.15 17.14,57.24 17.5,57.24 v1(17.78,56.96)
PCIE3_RXN: length 52.1
  TOP w0.152: v1(19.09,56.03) 18.79,55.72 18.79,55.57 28.75,45.61 28.75,18.21 31.41,15.54 31.66,15.54 31.89,15.78 J3.23
  BOTTOM w0.152: J4.45 17.06,55.65 17.14,55.73 17.27,55.73 17.61,55.39 17.61,55.12 17.95,54.78 18.44,54.78 18.79,55.13 18.79,55.72 v1(19.09,56.03)
PCIE3_RXP: length 52.1
  TOP w0.152: v1(18.15,56.03) 18.46,55.72 18.46,55.43 28.42,45.47 28.42,18.07 31.27,15.21 31.66,15.21 31.89,14.98 J3.25
  BOTTOM w0.152: v1(18.15,56.03) 18.46,55.72 18.46,55.26 18.31,55.11 18.09,55.11 17.94,55.26 17.94,55.53 17.4,56.06 17.09,56.06 17,56.15 J4.44
PCIE3_TXN: length 50.4
  TOP w0.152: J3.31 31.89,12.58 31.66,12.34 31.31,12.34 27.43,16.22 27.43,44.75 20.62,51.56 18.08,51.56 v1(17.77,51.87)
  BOTTOM w0.152: J4.53 17.04,51.65 17.12,51.56 17.47,51.56 v1(17.77,51.87)
PCIE3_TXP: length 50.4
  TOP w0.152: J3.33 31.89,11.78 31.66,12.01 31.17,12.01 27.1,16.08 27.1,44.61 20.48,51.23 18.08,51.23 v1(17.77,50.93)
  BOTTOM w0.152: v1(17.77,50.93) 17.47,51.23 17.11,51.23 17.02,51.15 J4.54
PCIE_WAKE1: length 66.3
  TOP w0.127: v1(59.84,20.39) 58.66,21.57 58.66,34.42 58.38,34.69 58.38,40.11 58.84,40.56 58.84,53.67 53.3,59.2 44.93,59.2 43.3,57.57 38.48,57.57 37.27,58.78 37.27,61.99 v1(37.47,62.19)
  BOTTOM w0.127: v1(37.47,62.19) R15.2 R16.1 ; U5.28 60.25,20.72 59.92,20.39 v1(59.84,20.39)
PCIE_WAKE2: length 37.8
  TOP w0.127: v1(34.89,29.06) 35.61,29.06 36.64,30.08 53.44,30.08 53.59,29.93 53.59,22.22 56.01,19.81 56.31,19.81 v1(56.34,19.78)
  BOTTOM w0.127: v1(34.89,29.06) R37.2 R38.1 ; v1(56.34,19.78) 57.79,19.78 59.39,21.39 U5.1
SDR_1P8_GPIO6: length 6.1
  TOP w0.127: v1(12.52,48.61) 12.52,49.04 12.28,49.29 R5.2
  BOTTOM w0.127: J4.25 12.22,50.65 12.52,50.34 v1(12.52,48.61)
SDR_POWER_OK: length 191.3
  TOP w0.127: v1(64.29,54.31) 64.66,54.68 64.66,63.68 62.64,65.69 46.19,65.69 45.33,66.56 v1(42.52,66.56) ; v1(8.23,57.68) 7.84,58.07 7.84,60.87 13.97,67 15.81,67 17.05,68.24 22.62,68.24 25.68,65.18 v1(25.68,65.09) ; v1(82.03,21.48) 82.34,21.79 82.34,43.05 83,43.71 94.32,43.71 94.38,43.65 J2.12 ; v1(59.04,35.41) 59.04,21.89 61.91,19.02 64.14,19.02 66.32,16.84 76.12,16.84 78.73,19.46 84.58,19.46 84.83,19.71 v1(84.83,19.98)
  BOTTOM w0.127: v1(8.23,57.68) 8.23,57.38 8.46,57.15 J4.12 ; v1(25.68,65.09) 25.91,64.86 35.75,64.86 36.65,63.96 37.92,63.96 39.81,65.84 41.8,65.84 v1(42.52,66.56) ; R73.1 85.42,20.57 v1(84.83,19.98) 84.83,20.11 84.08,20.87 82.55,20.87 82.03,21.39 v1(82.03,21.48) ; v1(64.29,54.31) 64.2,54.31 55.22,45.33 55.22,37.45 57.26,35.41 D1.K v1(59.04,35.41)
SIO_SPI_CLK: length 114.1
  TOP w0.127: v1(83.24,53.19) 87.79,48.65 J2.2
  BOTTOM w0.127: v1(83.24,53.19) 83.24,59.72 76.47,66.49 76.28,66.49 75.98,66.19 75.79,66.19 75.66,66.32 75.66,66.51 75.96,66.81 75.96,67 75.82,67.14 75.63,67.14 75.33,66.84 75.14,66.84 75.01,66.97 75.01,67.16 75.31,67.46 75.31,67.65 75.18,67.78 74.99,67.78 74.69,67.48 74.5,67.48 74.36,67.62 74.36,67.81 74.66,68.11 74.66,68.3 72.29,70.67 10.31,70.67 9.42,69.78 9.42,67.41 8.22,66.2 8.22,62.63 8.69,62.15 J4.2
SIO_SPI_CS#: length 113.8
  TOP w0.127: J2.4 86.94,47.65 v1(82.6,51.98)
  BOTTOM w0.127: v1(82.6,51.98) 82.6,58.87 77.08,64.39 77.08,64.58 77.38,64.89 77.38,65.07 77.25,65.21 77.06,65.21 76.76,64.91 76.57,64.91 76.43,65.04 76.43,65.23 76.73,65.53 76.73,65.72 76.6,65.86 76.41,65.86 76.11,65.55 75.92,65.55 71.16,70.31 10.61,70.31 9.79,69.5 9.79,67.65 11.14,66.31 11.14,64.61 10.9,64.38 10.9,61.3 10.75,61.15 J4.4
SIO_SPI_MISO: length 114
  TOP w0.127: v1(82.04,51.01) 85.9,47.15 J2.5
  BOTTOM w0.127: v1(82.04,51.01) 82.04,58.31 79.64,60.71 79.64,60.9 79.76,61.02 79.76,61.21 79.63,61.34 79.44,61.34 79.32,61.22 79.13,61.22 79,61.36 79,61.55 79.11,61.67 79.11,61.86 78.98,61.99 78.79,61.99 78.67,61.87 78.48,61.87 78.35,62 78.35,62.19 78.47,62.31 78.47,62.5 78.33,62.64 78.14,62.64 78.02,62.52 77.84,62.52 77.7,62.65 77.7,62.84 77.82,62.96 77.82,63.15 77.69,63.28 77.5,63.28 77.38,63.16 77.19,63.16 70.48,69.87 11.14,69.87 10.18,68.91 10.18,67.86 11.49,66.55 11.49,64.47 11.25,64.23 11.25,61.01 10.9,60.65 J4.5
SIO_SPI_MOSI: length 114.4
  TOP w0.127: J2.6 85.02,46.65 81.49,50.19 v1(81.49,50.27)
  BOTTOM w0.127: J4.6 9.75,60.18 11.23,60.18 11.61,60.55 11.61,64.08 11.85,64.32 11.85,66.78 12.8,67.73 12.8,68.62 13.67,69.49 69.25,69.49 76.67,62.08 76.86,62.08 77.22,62.44 77.41,62.44 77.54,62.31 77.54,62.12 77.18,61.76 77.18,61.57 77.31,61.43 77.5,61.43 77.86,61.79 78.05,61.79 78.19,61.66 78.19,61.47 77.83,61.11 77.83,60.92 77.96,60.79 78.15,60.79 78.51,61.15 78.7,61.15 78.83,61.01 78.83,60.82 78.47,60.46 78.47,60.27 78.61,60.14 78.8,60.14 79.16,60.5 79.35,60.5 79.48,60.37 79.48,60.18 79.12,59.82 79.12,59.63 81.49,57.26 v1(81.49,50.27)
SOC_I2C2_SCL_1P8: length 212.6
  TOP w0.127: R6.1 18.82,46.85 18.82,46.25 23.47,41.61 23.47,17.42 30.93,9.96 30.93,6.56 v1(30.9,6.53) ; R9.1 107.73,35.76 107.93,35.96 107.93,41.5 109.87,43.43 109.87,51.27 103.62,57.52 97.88,57.52 96.24,59.17 93.41,59.17 90.74,61.85 68.15,61.85 65.76,59.45 65.76,51.9 67.35,50.31 67.35,35.56 68.13,34.78 v1(69.57,34.78)
  BOTTOM w0.127: v1(30.9,6.53) 30.9,5.71 31.74,4.88 38.42,4.88 39.9,3.4 51.92,3.4 68.5,19.98 68.5,33.71 v1(69.57,34.78) 69.57,36.13 69.74,36.3 70.63,36.3 72.1,34.83 R36.1 76.22,35.23 76.22,36.83 76.06,36.98 U4.5
SOC_I2C2_SDA_1P8: length 211.9
  TOP w0.127: R7.1 19.2,46.83 19.2,46.53 23.92,41.8 23.92,17.47 31.35,10.05 31.35,7.5 v1(31.52,7.32) ; R8.1 107.16,41.23 109.51,43.58 109.51,50.69 103.1,57.1 97.12,57.1 96.26,57.96 93.48,57.96 90.05,61.4 68.21,61.4 66.11,59.3 66.11,52.05 67.71,50.46 67.71,36.21 68.09,35.82 v1(70.07,35.82) 70.68,35.21 75.94,35.21 v1(76.94,36.21)
  BOTTOM w0.127: R35.1 76.96,36.19 v1(76.94,36.21) 76.94,36.75 77.17,36.98 U4.4 ; v1(70.07,35.82) 70.2,35.69 70.2,34.58 68.85,33.23 68.85,19.61 52.08,2.83 39.47,2.83 37.77,4.53 31.59,4.53 30.35,5.76 30.35,6.86 30.82,7.32 v1(31.52,7.32)
